# Altium PCB Antenna_base.PcbDoc (part 1 of 2)
Units mil, origin at the board's own origin, x right, y up, seen from the top; angles counter-clockwise.
Board outline 3490.39 x 2465.23 mil, 2 copper layers (Top Layer, Bottom Layer); 106 components, 91 nets, 416 pads, 109 vias.
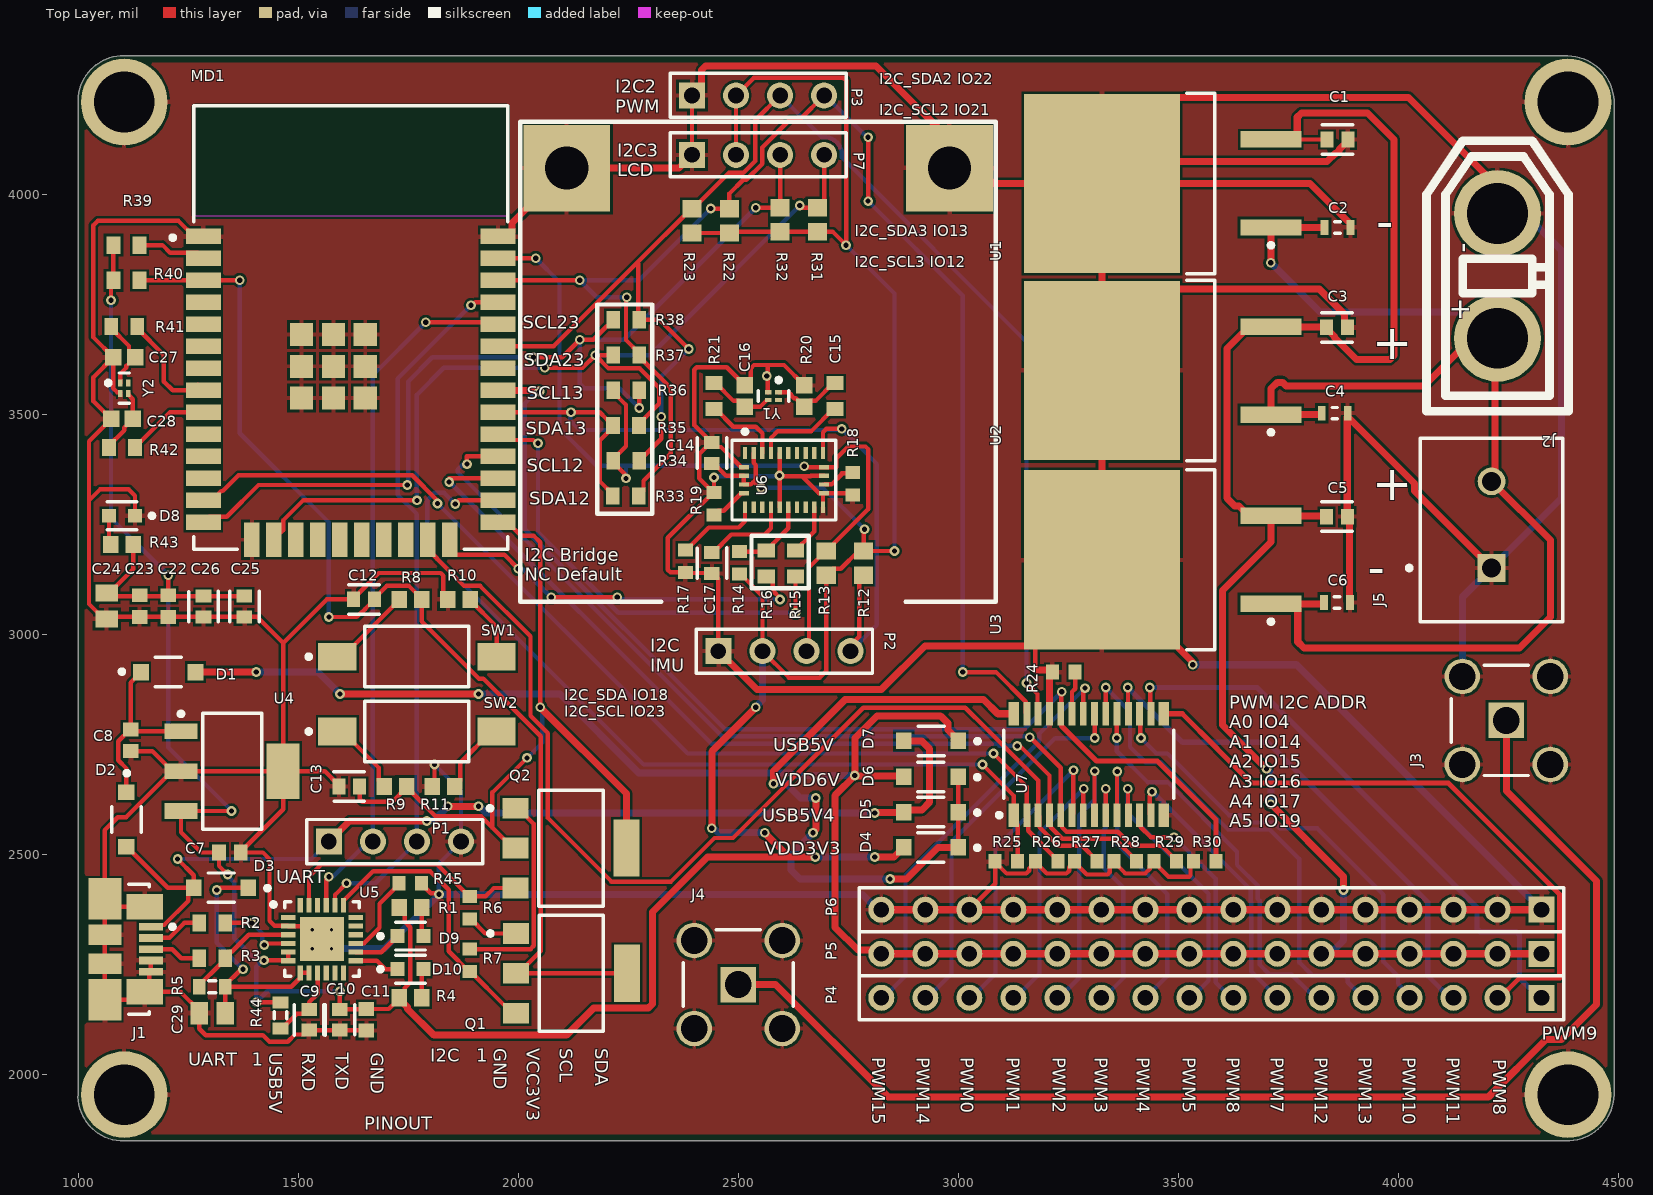
[diagram p0: Top Layer view]
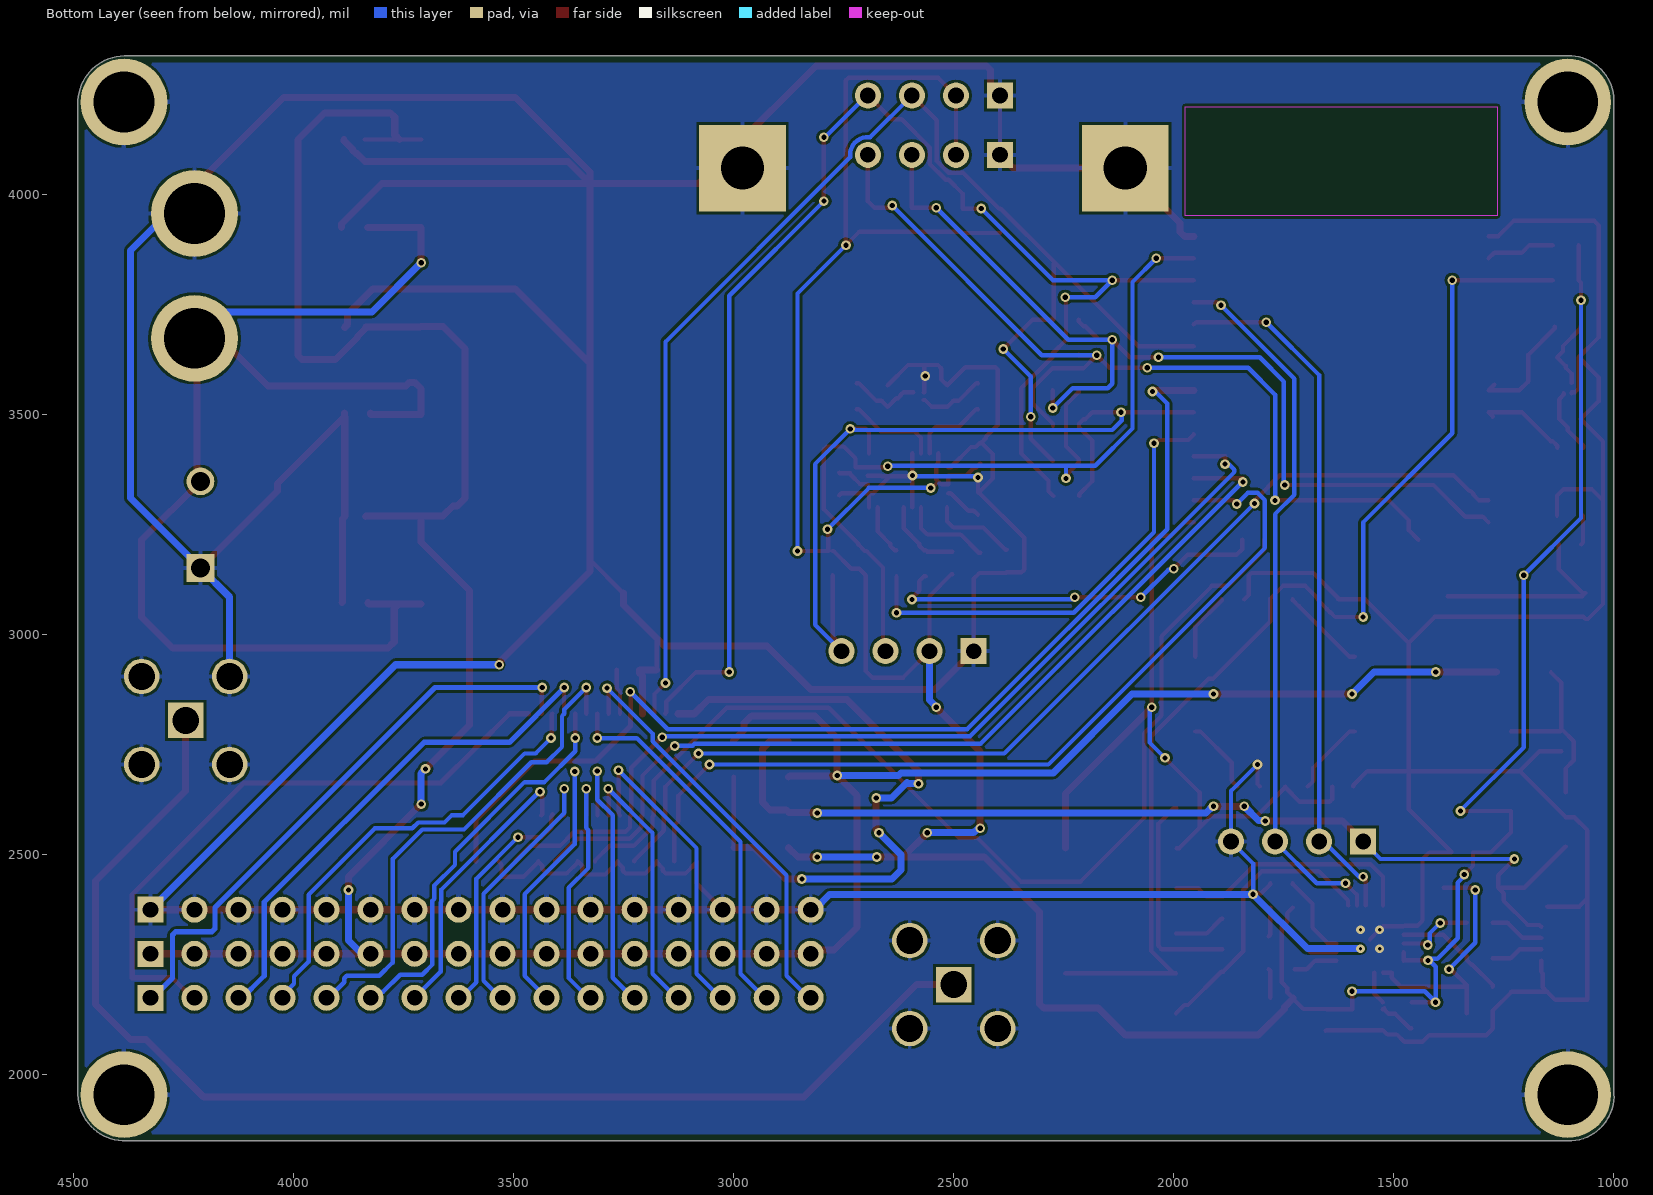
[diagram p1: Bottom Layer view, seen from below]

## Layer stack, top to bottom
Top Solder: solder mask 0.4, Solder Resist, Dk 3.5
Top Layer: signal copper 1.4
Dielectric 1: dielectric 12.6, FR-4, Dk 4.8
Bottom Layer: signal copper 1.4
Bottom Solder: solder mask 0.4, Solder Resist, Dk 3.5

## Board outline
1104.99,1849.77 cw(c1103.17,1953.36) 999.61,1949.99 1000,1953.36 1000,4215 cw(c1102.5,4212.5) 1105,4315 4385,4315 cw(c4382.5,4207.5) 4490,4205 4490,1955 cw(c4382.5,1957.5) 4380,1850

## Design rules (kind name [scope] priority, off if disabled: settings)
BoardOutlineClearance [All] p1: gap=15 ignorepadtopadclearanceinfootprint=FALSE
Clearance "Clearance Polygons" [InPolygon] p1: gap=6 ignorepadtopadclearanceinfootprint=FALSE except(0: Arc-Hole Track-Hole SMDPad-Hole THPad-Hole Via-Hole Fill-Hole Poly-Hole Region-Hole Text-Hole)
Clearance [All] p2: gap=5 ignorepadtopadclearanceinfootprint=FALSE except(0: Arc-Hole Track-Hole SMDPad-Hole THPad-Hole Via-Hole Fill-Hole Poly-Hole Region-Hole Text-Hole; 2: SMDPad-Via)
ComponentClearance "HM-TRP & UFL" [InComponent('X1') vs InComponent('U1')] p1: gap=0 collisioncheckmode=3 verticalgap=0 showdistances=FALSE
ComponentClearance [All] p2: gap=0 collisioncheckmode=3 verticalgap=0 showdistances=FALSE
DiffPairsRouting [All] p1: maxlimit=393.7 minlimit=5 mostfreqgap=8 toplayer_minwidth=5 toplayer_maxwidth=15 toplayer_prefwidth=8 bottomlayer_minwidth=5 bottomlayer_maxwidth=15 bottomlayer_prefwidth=8 maxuncoupledlength=500
HoleSize [All] p1: absolutevalues=TRUE maxlimit=265 minlimit=10 maxpercent=80.000 minpercent=20.000
HoleToHoleClearance [All] p1: gap=10 allowstackedmicrovias=FALSE
MinimumAnnularRing [All] p1: minimumring=4
MinimumSolderMaskSliver [All] p1: minsoldermaskwidth=0
PlaneClearance [All] p1: clearance=10
PlaneConnect [All] p1: planeconnectstyle=Relief reliefexpansion=4 reliefentries=4 reliefconductorwidth=6 reliefairgap=6
PolygonConnect "Via connect style" [isVia] p1: connectstyle=Direct reliefconductorwidth=10 reliefentries=4 polygonreliefangle="90 Angle" airgapwidth=10
PolygonConnect [All] p2: connectstyle=Relief reliefconductorwidth=10 reliefentries=4 polygonreliefangle="90 Angle" airgapwidth=6
RoutingCorners [All] p1: cornerstyle=45-Degree minsetback=49.21 maxsetback=49.21
RoutingVias [All] p1: holewidth=12 width=22 viastyle="Through Hole" minholewidth=10 minwidth=18 maxholewidth=100 maxwidth=114
SilkToSilkClearance [All] p1: silktosilkclearance=0
SilkToSolderMaskClearance [IsPad] p1: minsilkscreentomaskgap=5 clearancetoexposedcopper=TRUE
SolderMaskExpansion [All] p1: expansion=2.5 istentingtop=FALSE
Width GND [InNet('GND')] p1: maxlimit=30 minlimit=10 preferedwidth=20
Width Power [InNetClass('Power')] p2: maxlimit=40 minlimit=20 preferedwidth=30
Width 3V3 [InNetClass('3V3')] p3: maxlimit=30 minlimit=10 preferedwidth=20
Width [All] p4: maxlimit=400 minlimit=6 preferedwidth=8
20 further rules are at their usual default settings.

## Classes and differential pairs
component class 09_Antenna: J3 J4
component class 08_CoreBoard: C22 C23 C24 C25 C26 C27 C28 D8 MD1 R39 R40 R41 R42 R43 Y2
component class 07_i2cBridge: R33 R34 R35 R36 R37 R38
component class 06_i2cDisplay: P7 R31 R32
component class 05_PWMdriver: D4 D5 D6 D7 P3 P4 P5 P6 R22 R23 R24 R25 R26 R27 R28 R29 R30 U7
component class 04_IMU: C14 C15 C16 C17 P2 R12 R13 R14 R15 R16 R17 R18 R19 R20 R21 U6 Y1
component class 03_pushswitch: C12 C13 Q1 Q2 R6 R7 R8 R9 R10 R11 SW1 SW2
component class 02_USB2UART: C7 C8 C9 C10 C11 C29 D1 D2 D3 D9 D10 F J1 P1 R1 R2 R3 R4 R5 R44 R45 U4 U5
component class 01_powersupply: C1 C2 C3 C4 C5 C6 J2 J5 U1 U2 U3

## Components (designator, comment, footprint, x,y, rotation, side; value= is the part's Value field where it differs from the comment)
C1 "C0603C104M4RAC7411" FP-C0603C-CF-MFG 3861.38,4125 r0 top value="0.10 μF"
C2 "C1608X7R1H334K080AC" CAPC1608X90X20LL10 3861.38,3925 r180 top value=0.33uF
C3 "C0603C104M4RAC7411" FP-C0603C-CF-MFG 3860,3698.27 r0 top value="0.10 μF"
C4 "C1608X7R1H334K080AC" CAPC1608X90X20LL10 3855,3503.27 r180 top value=0.33uF
C5 "C0603C104M4RAC7411" FP-C0603C-CF-MFG 3860,3268.27 r0 top value="0.10 μF"
C6 "C1608X7R1H334K080AC" CAPC1608X90X20LL10 3860.47,3073.27 r180 top value=0.33uF
C7 "C0603C101J1GACTU" CAPC1608X87X35LL15T15 1345,2505 r180 top value=1uF
C8 "C0603C101J1GACTU" CAPC1608X87X35LL15T15 1120,2760 r90 top value=1uF
C9 "C0603C104M4RAC7411" FP-C0603C-CF-MFG 1525,2125 r270 top value="0.10 μF"
C10 "C0603C104M4RAC7411" FP-C0603C-CF-MFG 1595,2125 r270 top value="0.10 μF"
C11 "C0603C101J1GACTU" CAPC1608X87X35LL15T15 1655,2125 r90 top value=1uF
C12 "C0603C104M4RAC7411" FP-C0603C-CF-MFG 1650,3080 r180 top value="0.10 μF"
C13 "C0603C104M4RAC7411" FP-C0603C-CF-MFG 1616.18,2655 r180 top value="0.10 μF"
C14 "C0603C104M4RAC7411" FP-C0603C-CF-MFG 2440,3412.56 r90 top value="0.10 μF"
C15 "CC0603JRNPO9BN120" CAPC1608X90X40NL10T20 2650,3541.97 r270 top value=12pF
C16 "CC0603JRNPO9BN120" CAPC1608X90X40NL10T20 2515,3541.97 r270 top value=12pF
C17 "C0603C104M4RAC7411" FP-C0603C-CF-MFG 2440,3162.56 r270 top value="0.10 μF"
C22 "C0603C101J1GACTU" CAPC1608X87X35LL15T15 1205,3065 r90 top value=100pF
C23 "C0603C101J1GACTU" CAPC1608X87X35LL15T15 1140,3065 r90 top value=1uF
C24 "GRM21BR61C106KE15L" CAPC2013X135X50LL10T20 1065,3065 r90 top value=10uF
C25 "C0603C104M4RAC7411" FP-C0603C-CF-MFG 1377.87,3064.06 r270 top value="0.10 μF"
C26 "C0603C104M4RAC7411" FP-C0603C-CF-MFG 1285,3063.62 r270 top value="0.10 μF"
C27 "CC0603JRNPO9BN120" CAPC1608X90X40NL10T20 1104.92,3630 r0 top value=12pF
C28 "CC0603JRNPO9BN120" CAPC1608X90X40NL10T20 1100,3490 r0 top value=12pF
C29 "GRM21BR61C106KE15L" CAPC2013X135X50LL10T20 1305,2140 r0 top value=10uF
D1 "1N5819HW-7-F" FP-SOD123-MFG 1205,2915 r0 top value=50pF
D2 "1N5819HW-7-F" FP-SOD123-MFG 1110,2580 r270 top value=50pF
D3 "1N5819HW-7-F" FP-SOD123-MFG 1325,2425 r180 top value=50pF
D4 "1N5819HW-7-F" FP-SOD123-MFG 2937.71,2516.82 r180 top value=50pF
D5 "1N5819HW-7-F" FP-SOD123-MFG 2937.71,2596.82 r180 top value=50pF
D6 "1N5819HW-7-F" FP-SOD123-MFG 2937.71,2676.82 r180 top value=50pF
D7 "1N5819HW-7-F" FP-SOD123-MFG 2938.14,2758.82 r180 top value=50pF
D8 "LTST-C190GKT" FP-LTST-C190GKT-MFG 1100,3270 r180 top
D9 "LTST-C190GKT" FP-LTST-C190GKT-MFG 1755,2315 r0 top
D10 "LTST-C190GKT" FP-LTST-C190GKT-MFG 1755,2240 r0 top
J1 "47346-0001" MOLX-47346-0001-5_V 1068.82,2285.26 r270 top
J2 "xt60-F" XT60H-F 4225,3815 r270 top
J3 "731000114" MOLX-731000114_V 4245,2805 r180 top
J4 "731000114" MOLX-731000114_V 2500,2205 r90 top
J5 "282836-2" TECO-282836-2_V 4211.38,3249.84 r90 top
MD1 "ESP32-WROOM-32D" FP-ESP32-WROOM-32D-MFG 1619.65,3697.91 r0 top
P1 "Header 4" HDR1X4 1570,2530 r0 top
P2 "Header 4" HDR1X4 2455,2962.56 r0 top
P3 "Header 4" HDR1X4 2395,4225 r0 top
P4 "Header 16" HDR1X16 4325,2175 r180 top
P5 "Header 16" HDR1X16 4325,2275 r180 top
P6 "Header 16" HDR1X16 4325,2375 r180 top
P7 "Header 4" HDR1X4 2395,4090 r0 top
Q1 "BCP56-16" FP-SOT-223-P008-MFG 2120.98,2230.55 r0 top
Q2 "BCP56-16" FP-SOT-223-P008-MFG 2120,2515 r0 top
R1 "ERA-3AEB121V" RESC1608X55X30NL20T20 1755.59,2380 r0 top value=120ohm
R2 "RC0603JR-070RL" RESC1608X55X25ML10T15 1305,2345 r180 top value=0ohm
R3 "RC0603JR-070RL" RESC1608X55X25ML10T15 1305,2265 r180 top value=0ohm
R4 "ERA-3AEB121V" RESC1608X55X30NL20T20 1755,2175 r0 top value=120ohm
R5 "4.7k" J1-0603 1305,2200 r180 top value=4.7K
R6 "ERJ3EKF1002V" RESC1609X55X30LL15T15 1890,2380 r270 top value=10k
R7 "ERJ3EKF1002V" RESC1609X55X30LL15T15 1890,2260 r90 top value=10k
R8 "ERA-3AEB121V" RESC1608X55X30NL20T20 1755,3080 r0 top value=120ohm
R9 "ERA-3AEB121V" RESC1608X55X30NL20T20 1721.18,2655 r0 top value=120ohm
R10 "ERA-3AEB121V" RESC1608X55X30NL20T20 1865.59,3080 r0 top value=120ohm
R11 "ERA-3AEB121V" RESC1608X55X30NL20T20 1830,2655 r0 top value=120ohm
R12 "RR0816P-242-D" RESC1608X50X30ML20T20 2785,3162.44 r90 top value=2.4kR
R13 "RR0816P-242-D" RESC1608X50X30ML20T20 2700,3162.44 r270 top value=2.4kR
R14 "ERJ3EKF1002V" RESC1609X55X30LL15T15 2502.87,3163.15 r270 top value=10k
R15 "RC0603JR-070RL" RESC1608X55X25ML10T15 2630,3161.97 r270 top value=0ohm
R16 "RC0603JR-070RL" RESC1608X55X25ML10T15 2563.56,3161.97 r90 top value=0ohm
R17 "ERJ3EKF1002V" RESC1609X55X30LL15T15 2380,3166.97 r90 top value=10k
R18 "ERJ3EKF1002V" RESC1609X55X30LL15T15 2760,3342.44 r90 top value=10k
R19 "ERJ3EKF1002V" RESC1609X55X30LL15T15 2445,3297.56 r270 top value=10k
R20 "RC0603JR-070RL" RESC1608X55X25ML10T15 2720,3541.97 r90 top value=0ohm
R21 "RC0603JR-070RL" RESC1608X55X25ML10T15 2445,3541.97 r90 top value=0ohm
R22 "RR0816P-242-D" RESC1608X50X30ML20T20 2480,3940 r270 top value=2.4kR
R23 "RR0816P-242-D" RESC1608X50X30ML20T20 2395,3940 r270 top value=2.4kR
R24 "ERJ3EKF1002V" RESC1609X55X30LL15T15 3240,2915 r180 top value=10k
R25 "ERJ3EKF1002V" RESC1609X55X30LL15T15 3109.41,2485 r180 top value=10k
R26 "ERJ3EKF1002V" RESC1609X55X30LL15T15 3200.59,2485 r180 top value=10k
R27 "ERJ3EKF1002V" RESC1609X55X30LL15T15 3289.41,2485 r180 top value=10k
R28 "ERJ3EKF1002V" RESC1609X55X30LL15T15 3379.41,2485 r180 top value=10k
R29 "ERJ3EKF1002V" RESC1609X55X30LL15T15 3470,2485 r180 top value=10k
R30 "ERJ3EKF1002V" RESC1609X55X30LL15T15 3560,2485 r180 top value=10k
R31 "RR0816P-242-D" RESC1608X50X30ML20T20 2680,3942.56 r270 top value=2.4kR
R32 "RR0816P-242-D" RESC1608X50X30ML20T20 2595,3942.56 r270 top value=2.4kR
R33 "RC0603JR-070RL" RESC1608X55X25ML10T15 2244.53,3315 r0 top value=0ohm
R34 "RC0603JR-070RL" RESC1608X55X25ML10T15 2245.47,3395 r0 top value=0ohm
R35 "RC0603JR-070RL" RESC1608X55X25ML10T15 2245,3475 r0 top value=0ohm
R36 "RC0603JR-070RL" RESC1608X55X25ML10T15 2245.47,3555 r0 top value=0ohm
R37 "RC0603JR-070RL" RESC1608X55X25ML10T15 2245.47,3635.47 r0 top value=0ohm
R38 "RC0603JR-070RL" RESC1608X55X25ML10T15 2245.47,3715.47 r0 top value=0ohm
R39 "RC0603JR-070RL" RESC1608X55X25ML10T15 1110,3885 r0 top value=0R
R40 "RC0603JR-0710KL" RESC1608X55X25ML10T15 1110,3805 r180 top
R41 "RC0603JR-070RL" RESC1608X55X25ML10T15 1105,3700 r180 top value=0ohm
R42 "RC0603JR-070RL" RESC1608X55X25ML10T15 1099.53,3425 r180 top value=0ohm
R43 "ERA-3AEB121V" RESC1608X55X30NL20T20 1100,3205 r180 top value=120ohm
R44 "4.7k" J1-0603 1460,2135 r90 top value=4.7K
R45 "ERJ3EKF1002V" RESC1609X55X30LL15T15 1755,2435 r0 top value=10k
SW1 "FSMSMTR" TECO-FSMSMTR_V 1770,2950 r0 top
SW2 "FSMSMTR" TECO-FSMSMTR_V 1770,2780 r0 top
U1 "L7806CD2T-TR" TO-263_L 3464.17,4025 r180 top
U2 "L7806CD2T-TR" TO-263_L 3464.17,3600 r180 top
U3 "L7806CD2T-TR" TO-263_L 3464.17,3170 r180 top
U4 "MCP1826S-3302E/DB" SOT-223-DB3_L 1350,2690 r0 top
U5 "CP2102N-A01-GQFN24" SLAB-QFN-24-2550x2550TP_A_V 1554.21,2308.23 r0 top
U6 "BNO055" FP-BNO055-MFG 2603.9,3351.04 r90 top
U7 "PCA9685PW,112" SOT361-1_V 3296.61,2705.16 r90 top
Y1 "WMRAG32K76CS1C00R0" FP-WMRAG32K76CS1C00R0-MFG 2580,3541.97 r180 top
Y2 "WMRAG32K76CS1C00R0" FP-WMRAG32K76CS1C00R0-MFG 1105,3560 r270 top

## Footprints (in the part's own frame and the unit in brackets; to place one, negate y for a bottom-side part, rotate by r counter-clockwise, add the part's x,y. Pads: shape width x height; smd on the part's side, far side on the other; paste and mask are expansions set on the pad)
CAPC1608X87X35LL15T15 [mm] "Chip Capacitor, 2-Leads, Body 1.60x0.80mm, IPC High Density"
  rect 0.8x0.9 smd: 1(-0.625,0) 2(0.625,0)
  body extent -0.87,-0.48 0.87,0.48, height 0.87
CAPC1608X90X20LL10 [mm] "Chip Capacitor, 2-Leads, Body 1.70x0.90mm, IPC High Density"
  rect 0.45x0.85 smd: 1(-0.75,0) 2(0.75,0)
  silkscreen extent -0.15,-0.33 0.15,0.32, body extent -0.85,-0.45 0.85,0.45, height 0.9
CAPC1608X90X40NL10T20 [mm] "Chip Capacitor, 2-Leads, Body 1.7x0.9mm, IPC Medium Density"
  rect 0.95x0.95 smd: 1(-0.625,0) 2(0.625,0)
  body extent -0.85,-0.45 0.85,0.45, height 0.9
CAPC2013X135X50LL10T20 [mm] "Chip Capacitor, 2-Leads, Body 2.00x1.25mm, IPC High Density"
  rect 1x1.3 smd: 1(-0.75,0) 2(0.75,0)
  body extent -1.05,-0.67 1.05,0.68, height 1.35
FP-BNO055-MFG [mm]
  rect 0.675x0.25 smd: 1(1.563,2.25) 6(-1.563,2.25) 7(-1.563,1.75) 8(-1.563,1.25) 9(-1.563,0.75) 10(-1.563,0.25) 11(-1.563,-0.25) 12(-1.563,-0.75) 13(-1.563,-1.25) 14(-1.563,-1.75) 15(-1.563,-2.25) 20(1.563,-2.25) 21(1.563,-1.75) 22(1.563,-1.25) 23(1.563,-0.75) 24(1.563,-0.25) 25(1.563,0.25) 26(1.563,0.75) 27(1.563,1.25) 28(1.563,1.75)
  rect 0.25x0.575 smd: 2(0.75,2.313) 3(0.25,2.313) 4(-0.25,2.313) 5(-0.75,2.313) 16(-0.75,-2.312) 17(-0.25,-2.312) 18(0.25,-2.312) 19(0.75,-2.312)
  silkscreen extent -2.3,-3 2.92,3
FP-C0603C-CF-MFG [mm]
  rect 0.75x0.9 smd: 1(-0.6,0) 2(0.6,0)
  silkscreen extent -0.87,-0.85 0.88,0.85, body extent -1.2,-0.6 1.2,0.6, height 0.25
FP-ESP32-WROOM-32D-MFG [mm]
  rect 2x0.9 smd: 1(-8.5,5.26) 2(-8.5,3.99) 3(-8.5,2.72) 4(-8.5,1.45) 5(-8.5,0.18) 6(-8.5,-1.09) 7(-8.5,-2.36) 8(-8.5,-3.63) 9(-8.5,-4.9) 10(-8.5,-6.17) 11(-8.5,-7.44) 12(-8.5,-8.71) 13(-8.5,-9.98) 14(-8.5,-11.25) 25(8.5,-11.25) 26(8.5,-9.98) 27(8.5,-8.71) 28(8.5,-7.44) 29(8.5,-6.17) 30(8.5,-4.9) 31(8.5,-3.63) 32(8.5,-2.36) 33(8.5,-1.09) 34(8.5,0.18) 35(8.5,1.45) 36(8.5,2.72) 37(8.5,3.99) 38(8.5,5.26)
  rect 0.9x2 smd: 15(-5.715,-12.25) 16(-4.445,-12.25) 17(-3.175,-12.25) 18(-1.905,-12.25) 19(-0.635,-12.25) 20(0.635,-12.25) 21(1.905,-12.25) 22(3.175,-12.25) 23(4.445,-12.25) 24(5.715,-12.25)
  rect 1.33x1.33 smd: 39(-2.835,-4.075) 39(-2.835,-2.24) 39(-2.835,-0.405) 39(-1,-4.075) 39(-1,-2.24) 39(-1,-0.405) 39(0.835,-4.075) 39(0.835,-2.24) 39(0.835,-0.405)
  Keep-Out Layer region: -9,6.45 9,6.45 9,12.75 -9,12.75
  Keep-Out Layer region: -9,6.45 9,6.45 9,12.75 -9,12.75
  silkscreen extent -10.4,-12.8 9.05,12.8, body extent -9.6,-13.35 9.6,12.9, height 0.25
FP-LTST-C190GKT-MFG [mm]
  rect 0.8x0.8 smd: 1(-0.75,0) 2(0.75,0)
  silkscreen extent -1.85,-0.8 0.85,0.8, body extent -1.25,-0.55 1.25,0.55, height 0.25
FP-SOD123-MFG [mm]
  rect 0.9x0.95 smd: 1(-1.575,0) 2(1.575,0)
  silkscreen extent -2.8,-0.85 0.75,0.85, body extent -2.12,-0.95 2.12,0.95, height 0.25
FP-SOT-223-P008-MFG [mm]
  rect 1.5x1.2 smd: 1(-3.2,2.3) 2(-3.2,0) 3(-3.2,-2.3)
  rect 1.5x3.3 smd: 2(3.2,0)
  silkscreen extent -4.8,-3.35 1.85,3.35, body extent -4.05,-3.45 4.05,3.45, height 0.25
FP-WMRAG32K76CS1C00R0-MFG [mm]
  rect 0.4x0.25 smd: 1(-0.3,-0.225) 2(0.3,-0.225) 3(0.3,0.225) 4(-0.3,0.225)
  silkscreen extent -0.87,-1.05 0.87,0.3, body extent -0.6,-0.45 0.6,0.45, height 0.25
HDR1X4 [mm] "Connector; Header; 4 Position"
  rect 1.5x1.5 hole 0.9: 1(0,0)
  round 1.5 hole 0.9: 2(2.54,0) 3(5.08,0) 4(7.62,0)
  silkscreen extent -1.27,-1.27 8.89,1.27
HDR1X16 [mm] "Connector; Header; 16 Position"
  rect 1.5x1.5 hole 0.9: 1(0,0)
  round 1.5 hole 0.9: 2(2.54,0) 3(5.08,0) 4(7.62,0) 5(10.16,0) 6(12.7,0) 7(15.24,0) 8(17.78,0) 9(20.32,0) 10(22.86,0) 11(25.4,0) 12(27.94,0) 13(30.48,0) 14(33.02,0) 15(35.56,0) 16(38.1,0)
  silkscreen extent -1.27,-1.27 39.37,1.27
J1-0603 [mm] "Chip Resistor, Body 1.6x0.8mm, IPC High Density"
  rect 0.7x0.9 smd: 1(-0.75,0) 2(0.75,0)
  silkscreen extent -0.2,-0.35 0.2,0.35, body extent -0.85,-0.48 0.85,0.48, height 0.9
MOLX-47346-0001-5_V [mm] "SMD, 5-Leads, Body 7.5x5mm, Pitch 0.65mm"
  rect 0.45x1.38 smd: 1(-1.3,2.46) 2(-0.65,2.46) 3(0,2.46) 4(0.65,2.46) 5(1.3,2.46)
  rect 1.475x2.1 smd: 6(-2.462,2.1) 7(2.462,2.1)
  rect 2.375x1.9 smd: 8(-2.913,-0.2) 11(2.913,-0.2)
  rect 1.175x1.9 smd: 9(-0.837,-0.2) 10(0.837,-0.2)
  silkscreen extent -3.75,1.17 3.75,3.83, body extent -3.99,-2.78 3.99,2.65, height 2.69
MOLX-731000114_V [mm] "Connector, 5-Leads, Body 14.8x6.35mm, Pitch 2.54mm"
  rect 2.05x2.05 hole 1.54: 1(0,0)
  round 2.05 hole 1.54: 2(-2.54,2.54) 3(-2.54,-2.54) 4(2.54,-2.54) 5(2.54,2.54)
  silkscreen extent -1.26,-3.17 3.17,3.17, body extent -11.62,-3.17 3.18,3.18, height 9.57
RESC1608X50X30ML20T20 [mm] "Chip Resistor, 2-Leads, Body 1.60x0.80mm, IPC Low Density"
  rect 1x1.1 smd: 1(-0.7,0) 2(0.7,0)
  body extent -0.9,-0.5 0.9,0.5, height 0.5
RESC1608X55X25ML10T15 [mm] "Chip Resistor, 2-Leads, Body 1.60x0.80mm, IPC Low Density"
  rect 0.8x1 smd: 1(-0.75,0) 2(0.75,0)
  body extent -0.85,-0.45 0.85,0.45, height 0.55
RESC1608X55X30NL20T20 [mm] "Chip Resistor, 2-Leads, Body 1.60x0.80mm, IPC Medium Density"
  rect 0.9x1 smd: 1(-0.65,0) 2(0.65,0)
  body extent -0.9,-0.5 0.9,0.5, height 0.55
RESC1609X55X30LL15T15 [mm] "Chip Resistor, 2-Leads, Body 1.75x0.95mm, IPC High Density"
  rect 0.75x0.85 smd: 1(-0.65,0) 2(0.65,0)
  body extent -0.87,-0.48 0.87,0.48, height 0.55
SLAB-QFN-24-2550x2550TP_A_V [mm] "QFN, 6-Leads, Body 4x4mm, Pitch 0.5mm, Thermal Pad 2.55x2.55mm"
  rect 0.85x0.3 smd: 1(-1.95,1.25) 2(-1.95,0.75) 3(-1.95,0.25) 4(-1.95,-0.25) 5(-1.95,-0.75) 6(-1.95,-1.25) 13(1.95,-1.25) 14(1.95,-0.75) 15(1.95,-0.25) 16(1.95,0.25) 17(1.95,0.75) 18(1.95,1.25)
  rect 0.3x0.85 smd: 7(-1.25,-1.95) 8(-0.75,-1.95) 9(-0.25,-1.95) 10(0.25,-1.95) 11(0.75,-1.95) 12(1.25,-1.95) 19(1.25,1.95) 20(0.75,1.95) 21(0.25,1.95) 22(-0.25,1.95) 23(-0.75,1.95) 24(-1.25,1.95)
  rect 2.55x2.55 smd: 25(0,0)
  silkscreen extent -2.92,-2.15 2.15,2.15, body extent -2,-2 2,2, height 0.8
SOT361-1_V [mm] "SOP, 28-Leads, Body 9.7x4.4mm, Pitch 0.65mm, NXP Recommended"
  rect 1.35x0.6 smd: 1(-2.925,4.325) 14(-2.925,-4.325) 15(2.925,-4.325) 28(2.925,4.325)
  rect 1.35x0.4 smd: 2(-2.925,3.575) 3(-2.925,2.925) 4(-2.925,2.275) 5(-2.925,1.625) 6(-2.925,0.975) 7(-2.925,0.325) 8(-2.925,-0.325) 9(-2.925,-0.975) 10(-2.925,-1.625) 11(-2.925,-2.275) 12(-2.925,-2.925) 13(-2.925,-3.575) 16(2.925,-3.575) 17(2.925,-2.925) 18(2.925,-2.275) 19(2.925,-1.625) 20(2.925,-0.975) 21(2.925,-0.325) 22(2.925,0.325) 23(2.925,0.975) 24(2.925,1.625) 25(2.925,2.275) 26(2.925,2.925) 27(2.925,3.575)
  silkscreen extent -3.05,-4.9 1.96,5.3, body extent -2.2,-4.85 2.2,4.85, height 1.1
SOT-223-DB3_L [mm] "SOT223, 4-Leads, Body 6.5x3.5mm, Pitch 2.3mm, Lead Span 7mm, IPC High Density"
  rect 1.9x0.9 smd: 1(-2.95,2.3) 2(-2.95,0) 3(-2.95,-2.3)
  rect 1.9x3.2 smd: 4(2.95,0)
  silkscreen extent -3.07,-3.35 1.7,3.42, body extent -1.85,-3.35 1.85,3.35, height 1.8
TECO-282836-2_V [mm] "Female Header, Pitch 5mm, 1 x 2 Position, Height 10mm"
  rect 1.6x1.6 hole 1.1: 1(-2.5,0)
  round 1.6 hole 1.1: 2(2.5,0)
  silkscreen extent -5.6,-4.1 5,4.87, body extent -5.6,-4.1 5,4.1, height 10
TECO-FSMSMTR_V [mm] "SMD, 2-Leads, Body 6x3.5mm, Pitch 9.19mm"
  rect 2.2x1.6 smd: 1(-4.595,0)
  rect 2.18x1.6 smd: 2(4.595,0)
  silkscreen extent -6.37,-1.75 3,1.75, body extent -4.98,-1.75 4.98,1.75, height 4.4
TO-263_L [mm] "D2-PAK, 4-Leads, Body 9.2x10.2mm, Pitch 2.54mm, Lead Span 15.4mm, IPC High Density"
  rect 3.5x0.95 smd: 1(-6.25,2.54) 3(-6.25,-2.54)
  rect 9x10.35 smd: 4(3.5,0)
  silkscreen extent -6.38,-5.2 -1.4,5.2, body extent -3,-5.2 6.35,5.2, height 4.6
XT60H-F [mm] "XT60H-F"
  round 5 hole 3.5: 1(-3.6,0) 2(3.6,0)
  silkscreen extent -7.8,-4.1 7.8,4.1, body extent -8,-4.09 7.9,4.06, height 16.5

## Part data
C1 C3 C5 C9 C10 C12 C13 C14 C17 C25 C26: library part CMP-03020-016578-1, "CAP CER 0.1UF 16V X7R 0603", Capacitance="0.10 μF", Manufacturer=KEMET, Package=C0603C-CF, Temperature="-55°C to +125°C", Temperature Characteristic=X7R, Temperature Coefficient=30ppm/°C, Temperature Range High=+125°C, Temperature Range Low=-55°C, Tolerance=0.2, Voltage Rating="16 V", Automotive=Yes, Automotive Grade="Grade 1", Category=Cap, ComponentLink2Description=Datasheet, ComponentLink2URL=https://api.kemet.com/component-edge/download/datasheet/C0603C100J5GACAUTO.pdf, Device Class L1="Passive Components", Device Class L2=Capacitors, Device Class L3="Ceramic Capacitors", Digikey Description="CAP CER 0.1UF 16V X7R 0603", Height=0.87mm, Lead Free=Yes, Manufacturer Part Number=C0603C104M4RAC7411, Material=Ceramic, Mouser Description="Multilayer Ceramic Capacitors MLCC - SMD/SMT 16volts 0.1uF X7R 20%", Octopart=https://octopart.com/c0603c104m4rac7411-kemet-9138805, RoHS=TRUE
C2 C4 C6: library part CMP-2000-07551-1, "Chip Capacitor, 0.33 uF, +/- 10%, 50 V, -55 to 125 degC, 0603 (1608 Metric), RoHS, Tape and Reel", Manufacturer=TDK, Package Description="2-Pin Surface Mount Device, Body 1.6 x 0.8 mm", Package Reference=603, Datasheet URL=https://product.tdk.com/info/en/catalog/datasheets/mlcc_commercial_general_en.pdf, Datasheet Version=07/2017, Manufacturer URL=http://www.tdk.com/, Mounting Technology=SurfaceMount
C7 C8 C11 C22 C23: library part CMP-2006-03318-1, Manufacturer=Kemet, Part Number=C0603C101J1GACTU
C15 C16 C27 C28: library part CMP-1659-00031-1, "Chip Capacitor, 12 pF, +/- 5%, 50 V, -55 to 125 degC, 0603 (1608 Metric), RoHS, Tape and Reel", Case\Package=Axial, Max Operating Temperature="155 degC", Min Operating Temperature="-55 degC", Package Quantity=200, Power Rating="250 mW", Resistance="475 kohm", Tolerance=1%, Voltage Rating="250 V", ComponentLink1Description="Manufacturer URL", ComponentLink1URL=http://www.yageo.com/, ComponentLink2Description=Datasheet, ComponentLink2URL=http://www.yageo.com/NewPortal/yageodocoutput?fileName=/pdf/MLCC/UPY-GP_NP0_16V-to-50V_14.pdf, DatasheetVersion="Rev. 14, 07/2016", Length="0.248 inch", Mount="Through Hole", PackageDescription="2-Pin Surface Mount Device, Body 1.6 x 0.8 mm", PackageReference=0603, Packaging=Bulk, RoHSCompliant=true
C24 C29: library part CMP-2007-03453-1, Manufacturer=Murata, Package=0805, Part Number=GRM21BR61C106KE15L
D1 D2 D3 D4 D5 D6 D7: library part CMP-12790-000018-1, "DIODE SCHOTTKY 40V 1A SOD123", Capacitance=50pF, Forward Current=1A, Manufacturer="Diodes Inc", Max Junction Temp=+125°C, Max Repetitive Reverse Voltage=40V, Max Surge Forward Current=25A, Package=SOD123, Peak Reverse Current=1mA, Temperature="-65°C to +125°C", Temperature Range Low=-65°C, Terminal Temperature Tt Degc=90, Automotive=No, Category=Diode, Ciiva Ids=815630, ComponentLink2Description=Datasheet, ComponentLink2URL=https://www.diodes.com/assets/Datasheets/ds30217.pdf, Device Class L1="Discrete Semiconductors", Device Class L2=Diodes, Device Class L3="Schottky Diodes", Digikey Description="DIODE SCHOTTKY 40V 1A SOD123", Footprint Url=https://www.diodes.com/assets/Package-Files/SOD123.pdf, Height=1.45mm, If A=1, Import Ts=1521843113, Ipc Land Pattern Name=SOD365155X123-2, Lead Free=Yes, Manufacturer Part Number=1N5819HW-7-F, Mouser Description="1N5819HW Series 40 V 1 A Surface Mount Schottky Barrier Rectifier - SOD-123", Octopart=https://octopart.com/1n5819hw-7-f-diodes+inc.-323197, Release Date=1385348939, Reverse Voltage=40V, RoHS=TRUE, Standoff Height=0mm, Temperature Range High=+125°C, Vr V=40
D8 D9 D10: library part CMP-22017-000005-1, "LED GREEN CLEAR CHIP SMD", Case Code (Imperial)=0603, Case Code (Metric)=1608, Color=Green, Forward Current=30mA, Forward Voltage=2.1V, Lens Color=Colorless, Max Operating Temperature=85°C, Min Operating Temperature=-55°C, Package Quantity=1, Power Dissipation=100mW, Reverse Voltage=5V, Test Current=10mA, Voltage=2V, Case/Package=0603, Depth=0.8mm, Dominant Wavelength=569nm, Height=0.8mm, Illumination Color=Green, Lead Free="Lead Free", Length=1.6mm, Lens Style=Clear, Lens Transparency=Clear, Luminous Intensity=6mcd, Mount="Surface Mount", Number of Elements=1, Number of LEDs=1, Number of Pins=2, Packaging="Tape and Reel", Power Rating=100mW, Radiation Hardening=No, Viewing Angle=130°, Wavelength=565nm, Width=0.8mm
J1: library part CMP-2000-05246-1, "Micro-USB B Receptacle with Flange, -30 to 85 degC, 5-Pin SMD, RoHS, Tape and Reel", Color=Black, Manufacturer=Molex, Maximum Current Rating=1.8/ContactA, Maximum Voltage Rating=30VAC, Operating Temperature=-30to85C, Body Orientation=RightAngle, Contact Material=CopperAlloy, Contact Plating=GoldOverPalladiumNickelOverNickel, Datasheet URL=https://datasheet.ciiva.com/30075/304740473460001-io-nectors-30075527.pdf, Datasheet Version=Dec-13, Dimension=7.8x5.43x2.94mm, Gender=RCP, Housing Material=LiquidCrystalPolymer, Manufacturer URL=http://www.molex.com/, Mounting=SurfaceMount, Number of Contacts=5, Number of Ports=1, Number of Terminals=5, Packaging=EmbossedTapeandReel, Part No=47346-0001, Pitch=0.65mm, RoHS=Yes, Termination Method=Solder, Type=MicroUSBTypeB
J2: library part xt60
J3 J4: library part CMP-2000-05487-1, "SMA Right-Angle PCB Jack Receptacle, Brass Body, Gold Plated, 50 Ohm, 5-Pin THD, RoHS, Tray", Manufacturer=Molex, Package Description="5-Pin Through Hole Device, Body 14.8 x 6.35 mm, Pitch 2.54 mm", Datasheet URL=http://www.molex.com/webdocs/datasheets/pdf/en-us/0731000114_RF_COAX_CONNECTORS.pdf, Datasheet Version=09/2016, Manufacturer URL=http://www.molex.com/, Mounting Technology=ThroughHole, Package Reference=731000114, Package URL=http://www.molex.com/pdm_docs/sd/731000114_sd.pdf
J5: library part CMP-1684-00017-1, "Female Header, Pitch 5 mm, 1 x 2 Position, Height 10 mm, Tail Length 3.5 mm, Rohs, Bulk", Color=Green, Current=13.5A, Manufacturer="TE Connectivity", Package Description="Female Header, Pitch 5 mm, 1 x 2 Position, Height 10 mm, Tail Length 3.5 mm", Package Reference=THD, Standard Package=300, Voltage=300V, 3D Model=282836-2.pdf, Category=Connectors,Interconnects, Clamp Material - Plating=Brass-NickelPlated, Contact Material - Plating=Brass-TinPlated, Datasheet URL=http://www.te.com.cn/commerce/DocumentDelivery/DDEController?Action=showdoc&DocId=Catalog+Section%7F1308389_EUROSTYLE_TERMINAL_BLOCKS%7F0607%7Fpdf%7FEnglish%7FENG_CS_1308389_EUROSTYLE_TERMINAL_BLOCKS_0607.pdf%7F282836-2, Dynamic Catalog=BuchananSeries, Family=TerminalBlocks-WiretoBoard, Featured Product=EurostyleTerminalBlockConnectors, Features=Interlocking(Side), Housing Material=Polyamide(PA66),Nylon6/6, Manufacturer URL=http://www.te.com, Mating Orientation=HorizontalwithBoard, Mounting Type=ThroughHole, Number of Levels=1, Other Names="5ULV-02B / A98076", Packaging=Bulk, Pitch="0.197\"(5.00mm)", Positions Per Level=2, Product Training Modules=Wire-to-BoardEurostyleTerminalBlocks, RoHS Information=282836-2StatementofCompliance, Screw Material - Plating=Brass-NickelPlated, Screw Thread=M3, Series=Buchanan, Torque - Screw=0.68Nm(6Lb-In), Wire Gauge=16-30AWG, Wire Termination=Screw-RisingCageClamp
MD1: library part CMP-194065-000003-1, "WIFI MODULE 32MBITS SPI FLASH", Manufacturer="Espressif Systems", Max Frequency=2484MHz, Max Supply Voltage=3.6V, Min Supply Voltage=3V, Nominal Supply Current=500mA, Temperature="-40°C to +85°C", Temperature Range High=+85°C, Temperature Range Low=-40°C, Automotive=No, Bandwidth=72MHz, Category=UNK, ComponentLink2Description=Datasheet, ComponentLink2URL=https://www.espressif.com/sites/default/files/documentation/esp32-wroom-32d_esp32-wroom-32u_datasheet_en.pdf, Data Rate=150Mbits/s, Device Class L1="Integrated Circuits (ICs)", Device Class L2="RF Semiconductors and Devices", Device Class L3=Transceivers, Digikey Description="WIFI MODULE 32MBITS SPI FLASH", Height=3.2mm, Interface=I2C,SPI,UART,Ethernet,I2S,Other, Lead Free=Yes, Manufacturer Part Number=ESP32-WROOM-32D, Mouser Description="Wi-Fi/BT BLE Module ESP32-D0WD, SPI Flash, UART, P", Number Of Adc Channels=16, Number Of Gpio=32, Octopart=https://octopart.com/esp32-wroom-32d-espressif+systems-91040050, Package=ESP32-WROOM-32D, RoHS=TRUE, Sensitivity=-98dBm
P1 P2 P3 P7: "Header, 4-Pin", LatestRevisionDate=17-Jul-2002, LatestRevisionNote="Re-released for DXP Platform.", Publisher="Altium Limited"
P4 P5 P6: "Header, 16-Pin", LatestRevisionDate=17-Jul-2002, LatestRevisionNote="Re-released for DXP Platform.", Publisher="Altium Limited"
Q1 Q2: library part CMP-12195-000003-1, "TRANS NPN 80V 1A SOT-223", Collector Base Voltage=100V, Collector Emitter Breakdown Voltage=80V, Collector Emitter Saturation Voltage=0.5V, Emitter Base Voltage=5V, Manufacturer=STMicroelectronics, Max Collector Current=1A, Max Junction Temp=+150°C, Package=SOT-223-P008, Power Dissipation=1.6W, Temperature="to +150°C", Automotive=No, Category=Trans, Collector Emitter Voltage=80V, ComponentLink2Description=Datasheet, ComponentLink2URL=https://www.st.com/resource/en/datasheet/bcp56-16.pdf, Device Class L1="Discrete Semiconductors", Device Class L2=Transistors, Device Class L3=BJTs, Digikey Description="TRANS NPN 80V 1A SOT-223", Footprint Url=https://www.st.com/content/ccc/resource/technical/document/application_note/45/cc/69/ea/2f/8d/4e/3c/CD00004438.pdf/files/CD00004438.pdf/jcr:content/translations/en.CD00004438.pdf, Height=1.82mm, Hfe Max=250, Hfe Min=100, Hfe Testic=150mA, Hfe Testvce=2V, Ipc Land Pattern Name=SOT230P700X180-4, Lead Free=Yes, Manufacturer Part Number=BCP56-16, Mouser Description="BCP56 Series 80 V 1 A 1.6 W Surface Mount Low Power NPN Transistor - SOT-223", Number of Elements=1, Number Of Npn=1, Octopart=https://octopart.com/bcp56-16-stmicroelectronics-13883839, RoHS=TRUE, Rthja Max=78°C/W, Standoff Height=0.02mm, Temperature Range High=+150°C
R1 R4 R8 R9 R10 R11 R43: library part CMP-2000-00896-1, Manufacturer=Panasonic, Part Number=ERA-3AEB121V
R2 R3 R15 R16 R20 R21 R33 R34 R35 R36 R37 R38 R39 R41 R42: library part CMP-2100-03667-1, "Chip Resistor, 0 Ohm, +/- 5%, 0.1 W, -55 to 155 degC, 0603 (1608 Metric), RoHS, Tape and Reel", Case Code (Imperial)=0603, Case Code (Metric)=1608, Manufacturer=Yageo, Max Operating Temperature=155degC, Min Operating Temperature=-55degC, Package Description="2-Pin Surface Mount Device, Body 1.6 x 0.8 mm", Package Quantity=5000, Power Rating=100mW, Resistance=0mOhm, Temperature Coefficient=200ppm/degreesC, Tolerance=5%, Voltage Rating=50V, Case/Package=0603, Composition=ThickFilm, Contact Plating=Tin, Datasheet URL=http://www.yageo.com/NewPortal/yageodocoutput?fileName=/pdf/R-Chip/PYu-RC_Group_51_RoHS_L_5.pdf, Datasheet Version="Rev. 5, 10/2016", Depth=0.8mm, Height=0.45mm, Lead Free=LeadFree, Length=1.6mm, Manufacturer URL=http://www.yageo.com/, Military Standard=Not, Number of Pins=2, Package Reference=0603, Packaging=TapeandReel, Radiation Hardening=No, REACH SVHC=NoSVHC, RoHSCompliant=true, Termination=SMD/SMT, Voltage Rating (DC)=50V, Width=0.8mm
R5 R44: library part Res3, "Resistor", LatestRevisionDate=29-May-2009, LatestRevisionNote="IPC-7351 Footprint Added.", PackageDescription="Chip Resistor", PackageReference=J1-0603, Published=8-Jun-2000, Publisher="Altium Limited"
R6 R7 R14 R17 R18 R19 R24 R25 R26 R27 R28 R29 R30 R45: library part CMP-2000-07452-1, "Chip Resistor, 10 KOhm, +/- 1%, 0.1 W, -55 to 155 degC, 0603 (1608 Metric), RoHS, Tape and Reel", Case Code (Imperial)=0603, Case Code (Metric)=1608, Manufacturer=Panasonic, Max Operating Temperature=155degC, Max Power Dissipation=100mW, Min Operating Temperature=-55degC, Package Description="2-Pin Surface Mount Device, Body 1.6 x 0.85 mm", Package Quantity=1, Package Reference=603, Resistance=10KOhm, Temperature Coefficient=100ppm\/degreesC, Tolerance=1%, Voltage Rating=75V, Case\/Package=0603, Composition=ThickFilm, Contact Plating=Tin, Datasheet URL=https://industrial.panasonic.com/cdbs/www-data/pdf/RDA0000/AOA0000C304.pdf, Datasheet Version=02/2017, Depth=0.8mm, Height=0.45mm, Lead Free=LeadFree, Length=1.6mm, Manufacturer URL=http://www.panasonic.com/, Military Standard=Not, Mount=SurfaceMount, Mounting Technology=SurfaceMount, Number of Pins=2, Number of Terminations=2, Packaging=TapeandReel, Power Rating=100mW, Radiation Hardening=No, REACH SVHC=NoSVHC, RoHSCompliant=true, Termination=SMD/SMT, Voltage Rating (DC)=75V, Width=0.031inch
R12 R13 R22 R23 R31 R32: library part CMP-2000-02561-1, Manufacturer=Susumu, Part Number=RR0816P-242-D
R40: library part CMP-2000-05022-1, "Resistor, 10 KOhm, +/- 5%, 100 mW, -55 to 155 degC, 0603 (1608 Metric), RoHS, Tape and Reel", Case Code - in=0603, Case Code - mm=1608, Manufacturer=Yageo, Operating Temperature Range=-55Cto+155C, Package Description="2-Pin Surface Mount Device, Body 1.6 x 0.8 mm", Package Reference=603, Power Rating=100mW, Resistance=10kOhm, Temperature Coefficient=100PPM/C, Tolerance=5%, Voltage Rating=50V, Datasheet URL=http://www.farnell.com/datasheets/443971.pdf, Datasheet Version="Rev. 4, 04/2009", Manufacturer URL=http://www.yageo.com/, Packaging=Reel, Product=ThickFilmResistorsGeneralPurpose, Series=RC, Termination Style=SMD/SMT
SW1 SW2: library part CMP-2000-07501-1, "FSMSM Push Button Switch, 50 mA, -35 to 85 degC, 2-Pin SMD, RoHS, Tape and Reel", Case\/Package=SMD/SMT, Contact Current Rating=50mA, Contact Resistance=100mOhm, Manufacturer="TE Connectivity", Max Operating Temperature=85degC, Max Voltage Rating (DC)=12V, Min Operating Temperature=-35degC, Operating Force=180gf, Package Description="2-Pin Surface Mount Device, Body 6 x 3.5 mm, Pitch 9.19 mm", Package Quantity=1800, Voltage Rating (DC)=24V, Actuator Length=1.07mm, Actuator Material=Polyamide, Contact Material=Brass, Contact Plating=Silver, Current Rating=50mA, Datasheet URL=http://www.te.com/commerce/DocumentDelivery/DDEController?Action=showdoc&DocId=Customer+Drawing%7F1437566-3%7FC2%7Fpdf%7FEnglish%7FENG_CD_1437566-3_C2_1437566_3_1_c.dwg.pdf%7F1437566-4, Datasheet Version="Rev. C2, 08/2014", Electrical Life=20000Cycles, ELV=Compliant, Illumination Type=Illuminated, Lead Free=LeadFree, Manufacturer URL=http://www.te.com/, Mechanical Life=20000Cycles, Mount=SurfaceMount, Mounting Technology=SurfaceMount, Orientation=Straight, Package Reference=FSMSMTR, Packaging=TapeandReel, REACH SVHC=Unknown, RoHSCompliant=true, Switch Travel=0.25mm, Termination=GullWing, Throw Configuration=SPST
U1 U2 U3: library part CMP-0244-00208-1, "Positive Voltage Regulator, 3-Pin D2PAK, Tape and Reel", ComponentLink1Description="Manufacturer URL", ComponentLink1URL=http://www.st.com, ComponentLink2Description=Datasheet, ComponentLink2URL=http://www.st.com/internet/com/TECHNICAL_RESOURCES/TECHNICAL_LITERATURE/DATASHEET/CD00000444.pdf, DatasheetVersion=16/11/2011, PackageDescription="3-Pin Transistor Outline Package 2.54 mm Pitch, 15.4 mm Lead Span (D2PAK)", PackageReference=TO-263, PackageVersion=2011
U4: library part CMP-0136-00504-1, "1000 mA, Low Voltage, Low Quiescent Current LDO Regulator, 3-Pin SOT-223, Extended Temperature", DatasheetVersion="revA, Aug-2007", PackageDescription="3-Lead Plastic Small Outline Transistor (DB) [SOT-223]", PackageReference=SOT-223-DB3, PackageVersion="revBB, Aug-2009"
U5: library part CMP-2000-07570-1, "USBXpress(TM) Family, 4 GPIOs, 2.2 to 3.6 V, -40 to 85 degC, 24-Pin QFN, RoHS", Case\/Package=QFN, Manufacturer="Silicon Labs", Max Operating Temperature=85degC, Max Supply Voltage=3.6V, Min Operating Temperature=-40degC, Min Supply Voltage=3V, Package Description="24-Pin Quad Flat No-lead Package, Body 4 x 4 mm, Pitch 0.5 mm", Package Reference=QFN-24-2550x2550TP_A, Datasheet URL=http://www.silabs.com/documents/public/data-sheets/cp2102n-datasheet.pdf, Datasheet Version="Rev. 1.1, 08/2016", Manufacturer URL=http://www.silabs.com/, Mounting Technology=SurfaceMount, Number of Pins=24, REACH SVHC=Unknown, RoHSCompliant=False
U6: library part CMP-191067-000002-1, "IMU ACCEL/GYRO/MAG I2C 28LGA", Ambient Temperature Range High=+85°C, Ambient Temperature Range Low=-40°C, Manufacturer="Bosch Sensortech", Max Supply Voltage=3.6V, Min Supply Voltage=1.7V, Operating Supply Current=12.3mA, Package=0, Temperature="-40°C to +85°C", Voltage=1.7~3.6V, Accel Range=2/4/8/16g, Accel Resolution=14bits, Accel Sensitivity=0.001LSB/g, Automotive=No, Category=IC, ComponentLink2Description=Datasheet, ComponentLink2URL=https://ae-bst.resource.bosch.com/media/_tech/media/datasheets/BST-BNO055-DS000.pdf, Device Class L1=Sensors, Device Class L2="Motion Sensors", Device Class L3="Inertial Measurement Units (IMUs)", Digikey Description="IMU ACCEL/GYRO/MAG I2C 28LGA", Gyro Range=125/250/500/1000/2000°/s, Gyro Sensitivity=16LSB/°/s, Height=1.18mm, Lead Free=Yes, Mag Sense Range=1300-2500uT, Manufacturer Part Number=BNO055, Mouser Description="BNO055 Series 1.7 to 3.6 V Intelligent 9-Axis Absolute Orientation Sensor-LGA-28", Octopart=https://octopart.com/bno055-bosch+sensortec-50309911, RoHS=TRUE, Sensor Output=I2C,UART, Sensor Type=Accelerometer,Gyroscope,Magnetometer, Temperature Range High=+85°C, Temperature Range Low=-40°C
U7: library part CMP-1595-00004-2, "16-Channel, 12-Bit PWM Fm+ I2C-Bus LED Controller, 2.3 to 5.5 V, -40 to 85 degC, 28-Pin TSSOP (SOT361-1), RoHS, Tape and Reel", Frequency="25000000 Hz", PartNumber=PCA9685, Supply Current Max="10 mA", Supply Voltage Max="5.5 V", Supply Voltage Min="2.3 V", Temperature Max="85 degC", Temperature Min="-40 degC", Code_JEDEC=MO-153, ComponentLink1Description="Manufacturer URL", ComponentLink1URL=http://www.nxp.com/, ComponentLink2Description=Datasheet, ComponentLink2URL=http://www.nxp.com/documents/data_sheet/PCA9685.pdf, ComponentLink3Description="Package Specification", ComponentLink3URL=http://www.nxp.com/documents/outline_drawing/sot361-1_po.pdf, DatasheetVersion="Rev. 4", Mounting Technology="Surface Mount", PackageDescription="28-Pin Small Outline Package, Body 9.7 x 4.4 mm, Pitch 0.65 mm", PackageVersion=02/2003, Packing="Tape and Reel", RoHS=TRUE
Y1 Y2: library part CMP-06054-000002-1, "MEMS Resonator", Frequency=32.768kHz, Load Capacitance=8pF, Manufacturer=Murata, Temperature="-30°C to +85°C", Temperature Range High=+85°C, Temperature Range Low=-30°C, Tolerance=20ppm, Automotive=No, Category=Crys, ComponentLink2Description=Datasheet, ComponentLink2URL=https://www.murata.com/en-us/products/productdetail?partno=WMRAG32K76CS1C00R0, Device Class L1="Passive Components", Device Class L2="Crystals / Oscillators", Device Class L3=Crystals, ESR=75kΩ, Footprint Url=https://forum.upverter.com/uploads/default/original/3X/c/9/c928dfaf44ae48bfe51164a60c1d28063cd1860b.pdf, Lead Free=Yes, Manufacturer Part Number=WMRAG32K76CS1C00R0, Octopart=https://octopart.com/wmrag32k76cs1c00r0-murata-103936783, Package=WMRAG32K76CS1C00R0, RoHS=TRUE

## Free pads (board coordinates)
  round 196.85 hole 137.8: C1(4385,1955) C2(4385,4210) C3(1105,1955) C4(1105,4210)
  rect 196.85x196.85 hole 98.43: LCD0(2110,4060) LCD1(2980,4060)

## Via types
v1: diameter 22, hole 12, Top Layer to Bottom Layer, 105 vias
v2: diameter 19.68, hole 7.87, Top Layer to Bottom Layer, 4 vias

## Nets (pads, with @x,y where several pads share a name; then routed paths per layer and width w, separated by ;. In a path a pad name is that pad's centre, name@x,y a point inside that pad or via, vN(x,y) a via of type N, cw(c..) or ccw(c..) an arc to the next point about the centre after c; other vN are vias at no path point)
A0: MD1.26 R25.1 U7.1 | length 2009.2
  Top Layer w10: v1(1856.94,3296.94) 1865,3305 MD1.26@1954.29,3305 ; v1(3055,2705) 3126.34,2633.66 U7.1@3126.34,2590 3126.34,2575.24 3135,2566.57 R25.1@3135,2485
  Bottom Layer w10: v1(1856.94,3296.94) 1831.89,3322 1809.63,3322 1793,3305.37 1793,3197 2285,2705 v1(3055,2705)
A1: MD1.13 R26.1 U7.2 | length 2391.1
  Top Layer w10: MD1.13@1285,3305 1306.65,3305 1319.37,3317.72 1319.37,3320.43 1325.23,3326.28 1328.93,3326.28 1364.64,3362 1759.11,3362 1815,3306.11 1815,3300 v1(1816.87,3298.13) ; v1(3080,2730) 3155.87,2654.13 U7.2@3155.87,2590 3158.74,2587.13 3158.74,2554.41 3226.18,2486.97 R26.1@3226.18,2485
  Bottom Layer w10: v1(1816.87,3298.13) 2385,2730 v1(3080,2730)
A2: MD1.23 R27.1 U7.3 | length 2443.5
  Top Layer w10: MD1.23@1794.65,3215.63 1794.65,3193.98 1815.93,3172.69 1815.93,3171.7 1876.95,3110.69 1913.45,3110.69 2028,2996.14 2028,2815.5 2067.53,2775.97 2067.53,2583.41 2211.9,2439.04 2347.17,2439.04 2446.13,2538 2488.11,2538 2784.11,2834 3016,2834 3064,2786 3070,2780 3181.46,2668.54 U7.3@3181.46,2590 3184.33,2587.13 3184.33,2562.71 3226.62,2520.43 3281.54,2520.43 3315,2486.97 R27.1@3315,2485
A3: MD1.27 R28.1 U7.4 | length 2106.9
  Top Layer w10: v1(1843.06,3346.94) 1843.06,3355 MD1.27@1954.29,3355 ; v1(3134.11,2747) 3139.97,2747 3207.05,2679.93 U7.4@3207.05,2590 3209.92,2587.13 3209.92,2562.71 3236.21,2536.43 3355.54,2536.43 3405,2486.97 R28.1@3405,2485
  Bottom Layer w10: v1(1843.06,3346.94) 1843.61,3347.5 2439.11,2752 3089.11,2752 3093.11,2748 3133.11,2748 v1(3134.11,2747)
A4: MD1.28 R29.1 U7.5 | length 2197.8
  Top Layer w10: v1(1883.58,3387.47) 1883.58,3405 MD1.28@1954.29,3405 ; v1(3162.2,2766.69) 3163.31,2766.69 3232.64,2697.36 U7.5@3232.64,2590 3235.51,2587.13 3235.51,2562.71 3245.8,2552.43 3362.17,2552.43 3394.6,2520 3462.56,2520 3495.59,2486.97 R29.1@3495.59,2485
  Bottom Layer w10: v1(1883.58,3387.47) 1875.09,3387.47 1862.38,3374.75 1862.38,3369.74 2463.12,2769 3143.23,2769 3159.91,2768.99 v1(3162.2,2766.69)
A5: MD1.31 R30.1 U7.24 | length 2485.9
  Top Layer w10: U7.24@3232.64,2820.32 3233.82,2821.5 3233.82,2866.46 v1@3232.64,2867.64
  Top Layer w12: U7.24@3232.64,2820.32 3234.51,2818.44 3234.51,2792.61 3314.12,2713 3452,2713 3585.59,2579.41 R30.1@3585.59,2485
  Top Layer w16: MD1.31@1954.29,3555 2044.74,3555 2045.23,3555.49 v1(2048.42,3552.3) ; v1@3232.64,2867.64 v1(3235,2870)
  Bottom Layer w10: v1(2048.42,3552.3) 2045.23,3555.49 2015,3525.26 2015,3239.75 2469.75,2785 3150,2785 v1(3235,2870)
BAT12V: C2.2 C4.2 C6.2 J2.2 J5.2 U1.1 U2.1 U3.1 | length 3103.4
  Top Layer w16: v1(3710,3845) 3710,3924.76 U1.1@3710.24,3925 C2.2@3831.85,3925 ; U3.1@3710.24,3070 U3.1@3760.43,3070 ; C4.2@3825.47,3503.27 3825.47,3500.86 3824.61,3500 U2.1@3710.24,3500 3710.24,3558.82 3724.79,3573.37 3736.63,3573.37 3745,3565 4058.11,3565 J2.2@4218.88,3725.77 ; C6.2@3830.94,3073.27 3830.94,3070.86 3830.09,3070 U3.1@3760.43,3070 ; J2.2@4226.38,3733.27 J2.2@4218.88,3725.77 ; U3.1@3760.43,3070 3771.13,3059.3 3771.13,2983.87 3785,2970 4275,2970 4345,3040 4345,3214.65 J5.2@4211.38,3348.27 4218.88,3355.77 J2.2@4218.88,3725.77
  Bottom Layer w16: v1(3710,3845) 3821.73,3733.27 J2.2@4226.38,3733.27
BNO055_INT: MD1.29 R15.2 | length 1044.6
  Top Layer w10: MD1.29@1954.29,3455 1967.01,3442.28 2034.47,3442.28 2041.75,3435 v1(2045,3435) ; v1(2630,3050) R15.2@2630,3132.44
  Bottom Layer w10: v1(2045,3435) 2045,3232.37 2227.37,3050 v1(2630,3050)
BNO055_RESET: MD1.24 R16.1 | length 887
  Top Layer w10: MD1.24@1844.65,3215.63 1844.65,3193.98 1857.36,3181.26 1968.74,3181.26 v1(2000,3150) ; v1(2075,3085) v1(2225,3085) ; R16.1@2563.56,3132.44 2567.5,3132.44 2578.25,3121.69 2578.25,3100 2595,3083.25 v1(2595,3080)
  Bottom Layer w10: v1(2000,3150) 2002.3,3147.7 2012.3,3147.7 v1(2075,3085) ; v1(2225,3085) 2230,3080 v1(2595,3080)
CLK: MD1.20
CMD: MD1.19
D_N: R2.1 U5.4 | length 175
  Top Layer w10: R2.1@1334.53,2345 v1(1395,2345) ; v1(1423.25,2295) 1426.63,2298.39 U5.4@1477.44,2298.39
  Bottom Layer w10: v1(1395,2345) 1419,2321 v1@1419,2296
D_P: R3.1 R5.2 U5.3 | length 257.8
  Top Layer w10: R5.2@1275.47,2200 1275.47,2203.94 1321.85,2250.31 1323.78,2250.31 1334.53,2261.06 R3.1@1334.53,2265 1334.53,2268.94 1345.28,2279.69 1349.21,2279.69 1387.6,2318.07 U5.3@1477.44,2318.07
DTR: Q2.3 R6.1 U5.23 | length 584.2
  Top Layer w10: U5.23@1524.69,2385 1524.69,2449.69 1553.73,2478.73 1814.89,2478.73 1888.03,2405.59 R6.1@1890,2405.59 1890.43,2406.02 1926.4,2406.02 1944.82,2424.45 Q2.3@1994.02,2424.45
EN: C12.1 MD1.3 Q1.2 R8.2 R40.1 | length 2573.3
  Top Layer w10: R40.1@1139.53,3805 MD1.3@1285,3805 v1(1367.52,3805) ; v1(1570,3040) 1633.62,3040 1644.91,3051.28 1645.7,3051.28 1652.14,3057.73 1652.14,3058.52 C12.1@1673.62,3080 1673.62,3082.95 1701.35,3110.69 1751.87,3110.69 1780.59,3081.97 R8.2@1780.59,3080 1780.59,3030.35 1911.09,2899.85 1921.02,2899.85 2051.53,2769.34 2051.53,2281.17 Q1.2@2000.91,2230.55 ; Q1.2@1995,2230.55 Q1.2@2000.91,2230.55 ; Q1.2@2246.97,2230.55 Q1.2@2000.91,2230.55
  Bottom Layer w10: v1(1367.52,3805) 1367.57,3805.04 1367.57,3457.43 1570,3255 v1(1570,3040)